# KiCad board test_ledout.kicad_pcb
rev: D
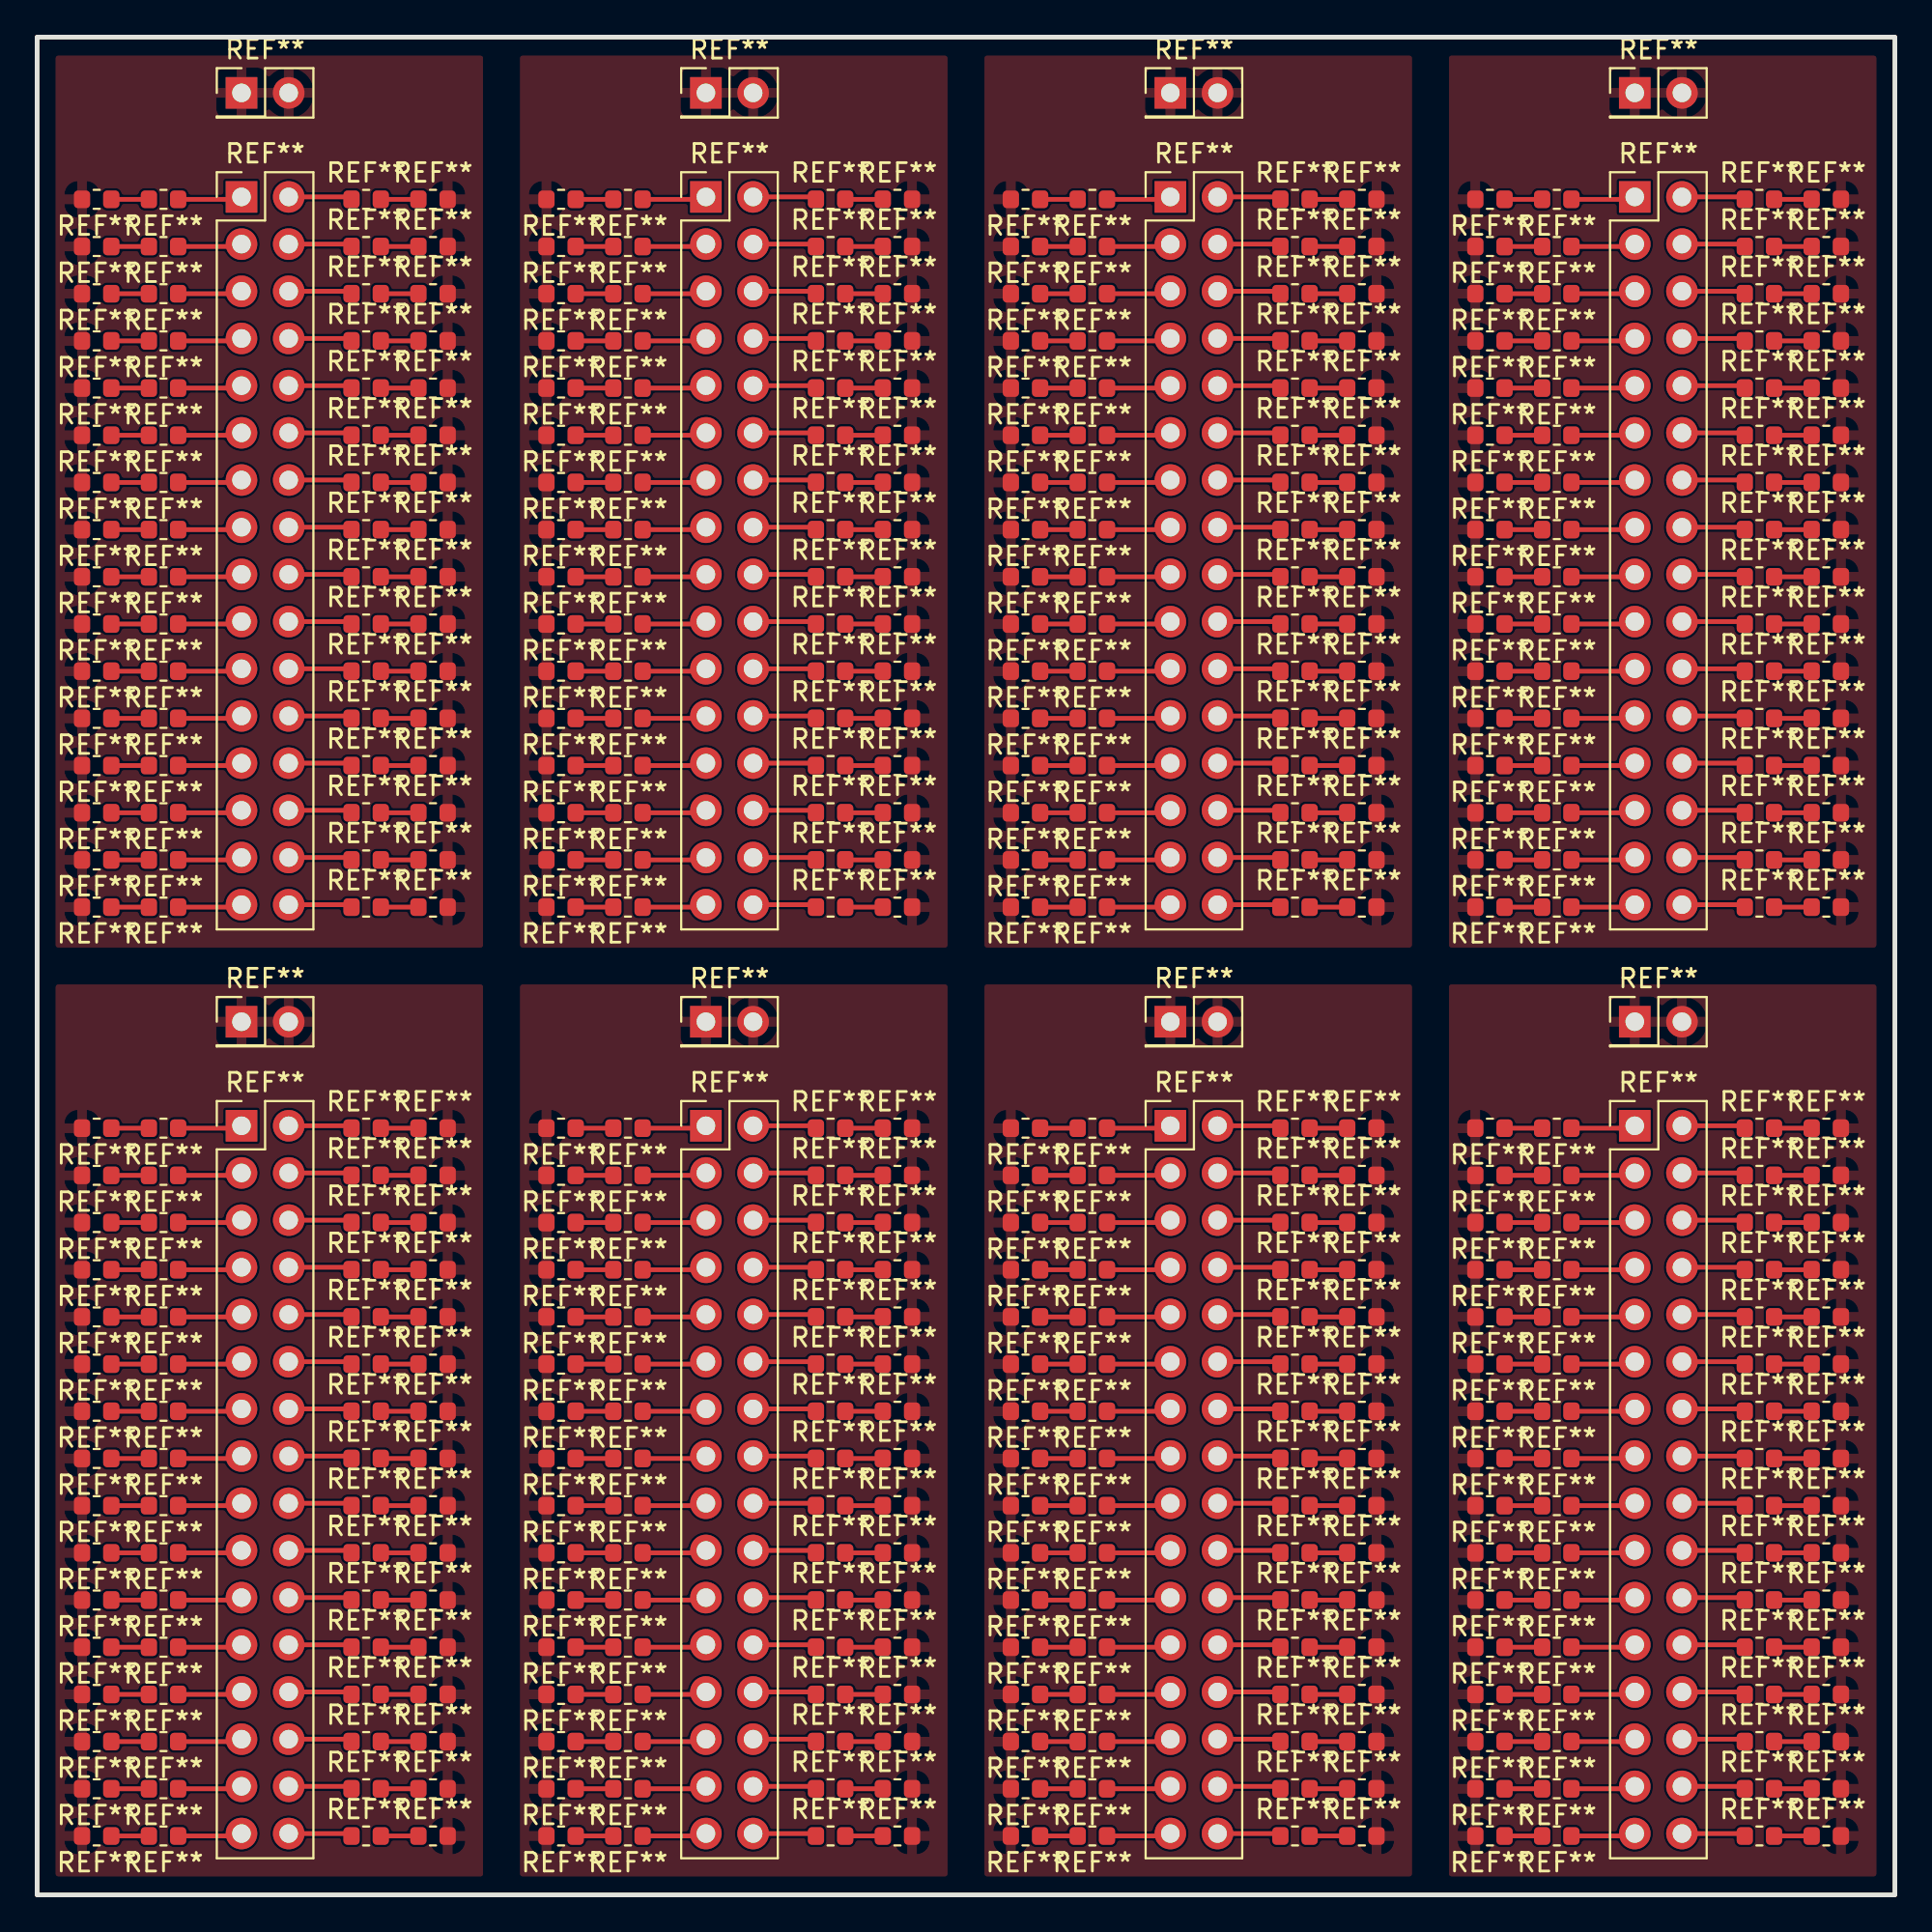
[diagram p0: board, top side]
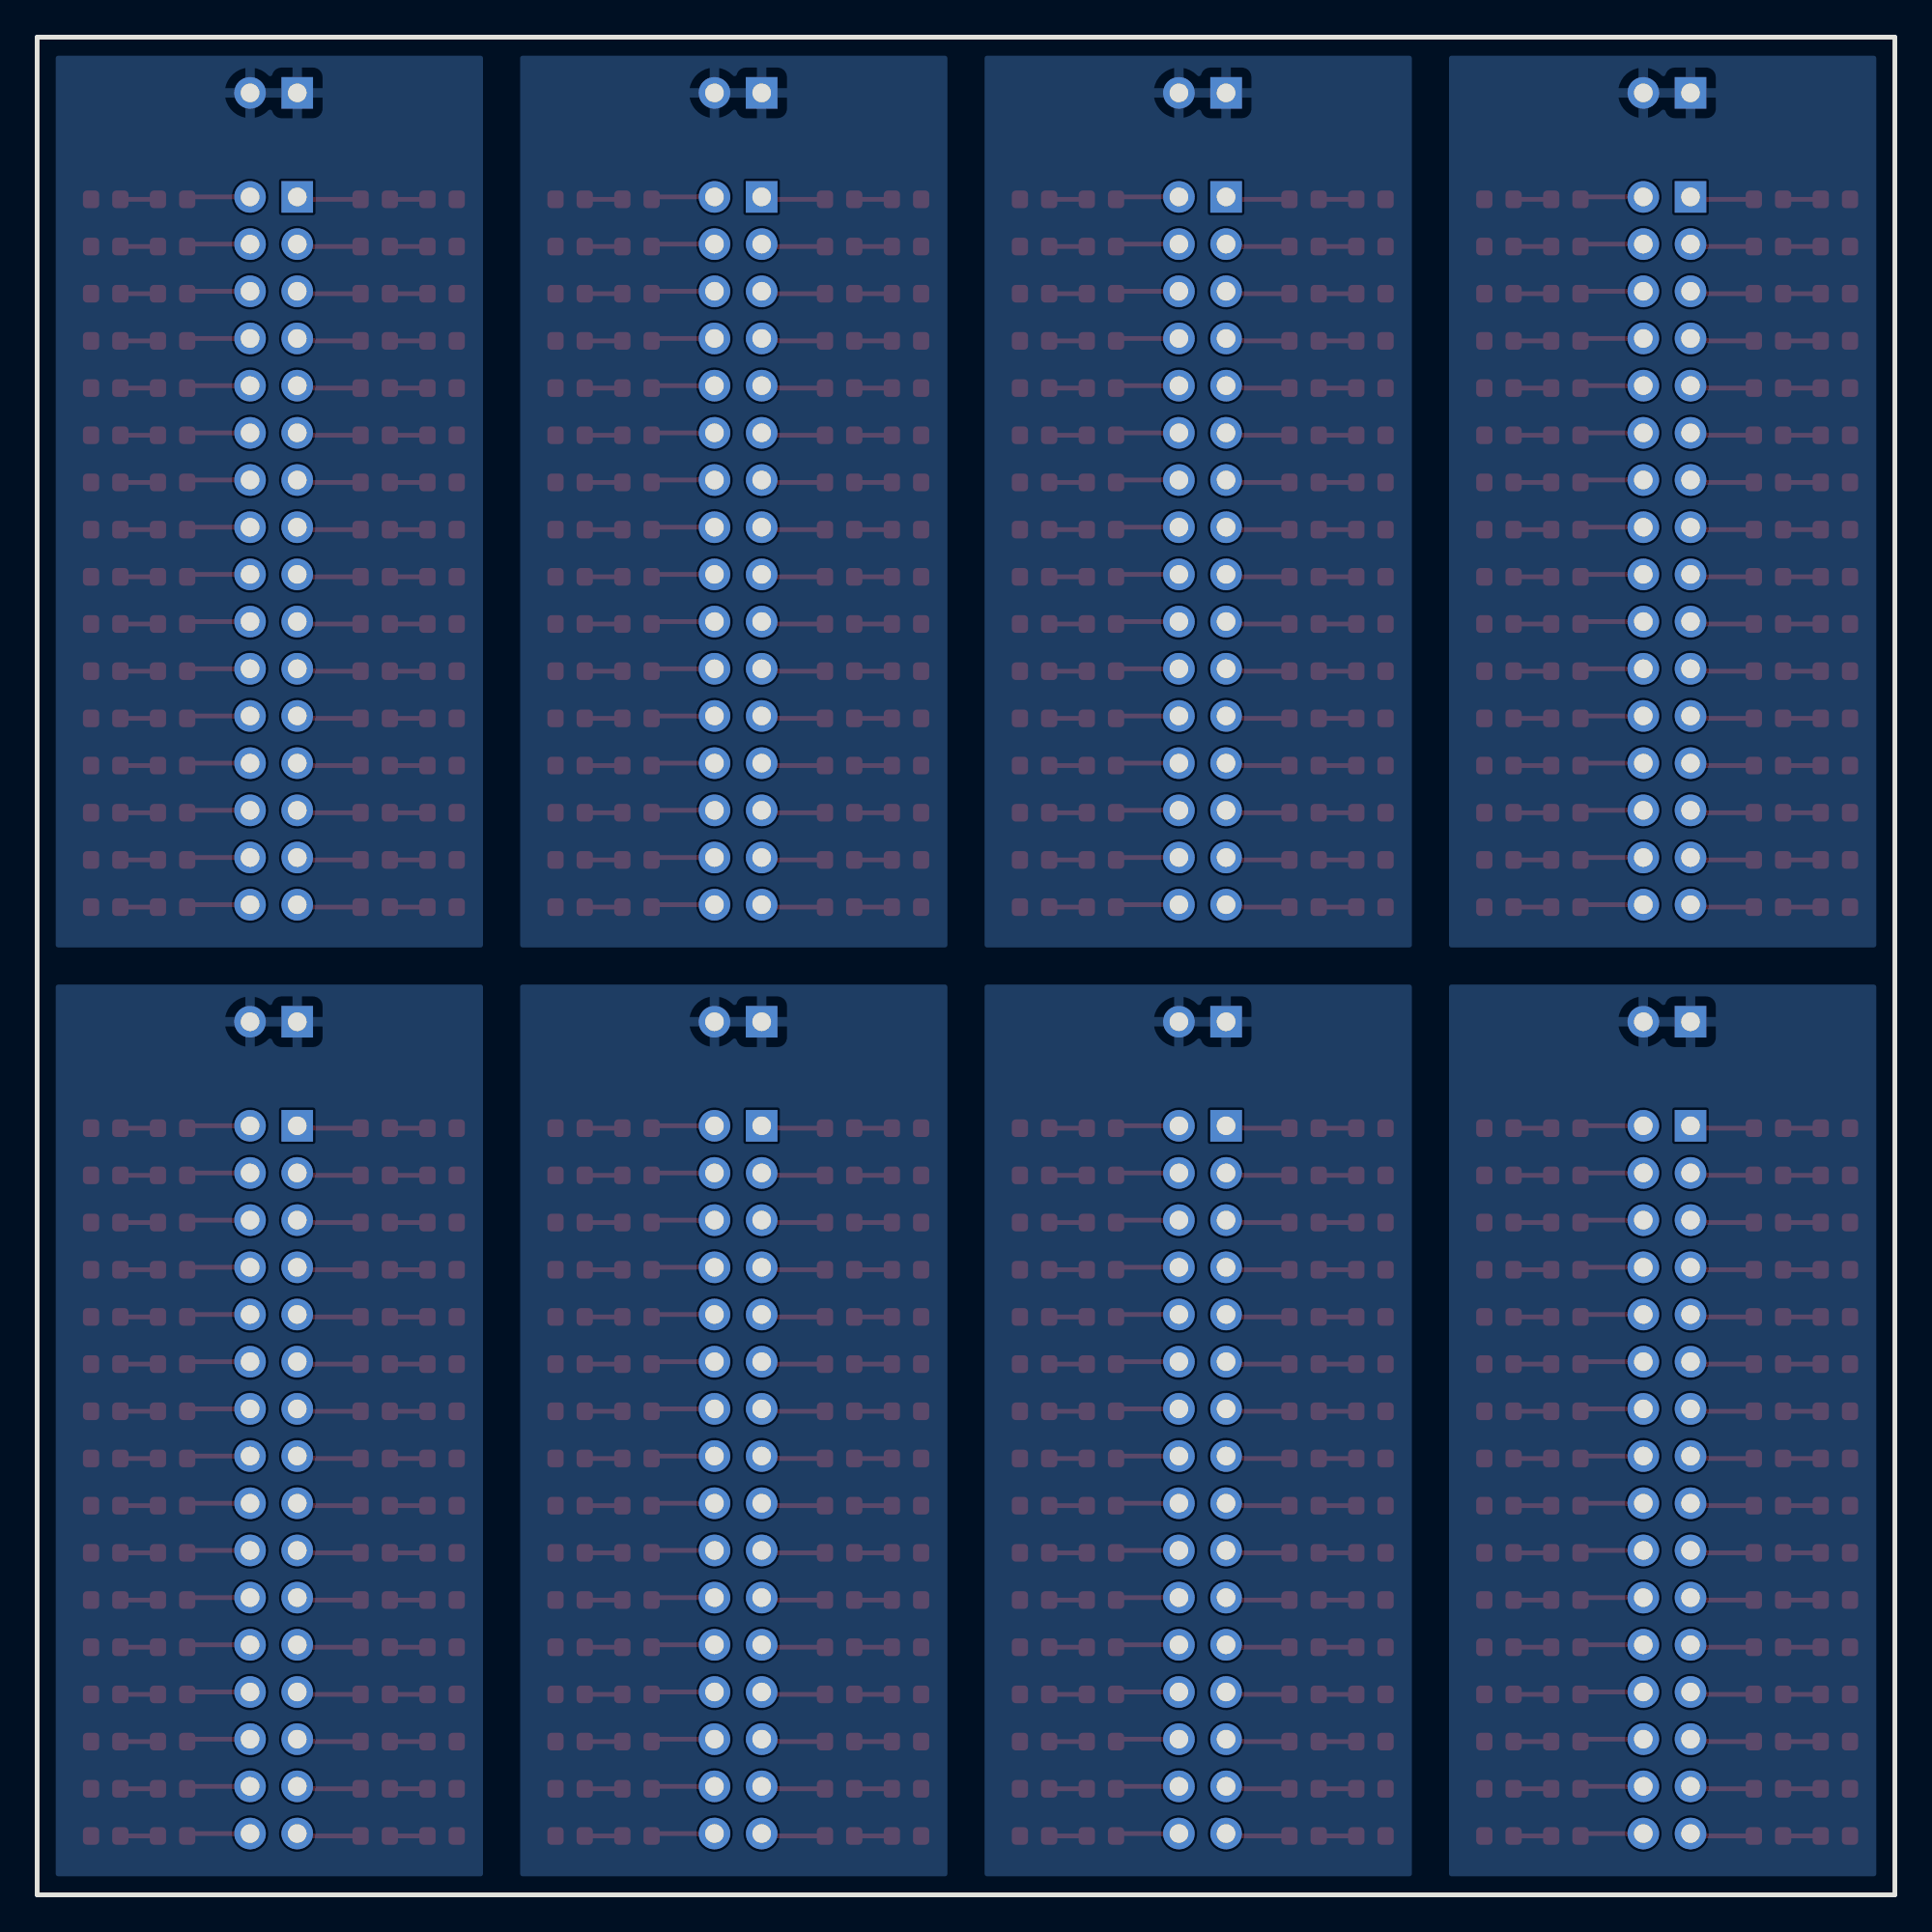
[diagram p1: board, bottom side, seen from below]

Outline 100 x 100 mm; copper layers: Top, In1.Cu (plane), In2.Cu, In3.Cu, In4.Cu (plane), Bottom. Coordinates in mm from the lower left corner of the outline.
Outline path: 0,100 0,0 100,0 100,100 0,100
Stack: Top 0.035mm / dielectric 1.37mm FR4 er 4.5 / In1.Cu 0.035mm / dielectric 1.37mm FR4 er 4.5 / In2.Cu 0.035mm / dielectric 1.37mm FR4 er 4.5 / In3.Cu 0.035mm / dielectric 1.37mm FR4 er 4.5 / In4.Cu 0.035mm / dielectric 1.37mm FR4 er 4.5 / Bottom 0.035mm

## Placement (name value [footprint] x y rotation side)
REF**  -  [R_0603_1608Metric]  67.71 58.25 0 top
REF**#2  -  [R_0603_1608Metric]  81.8 68.41 180 top
REF**#3  -  [R_0603_1608Metric]  67.71 68.41 0 top
REF**#4  -  [R_0603_1608Metric]  3.2 73.49 180 top
REF**#5  -  [R_0603_1608Metric]  21.31 33.65 0 top
REF**#6  -  [R_0603_1608Metric]  17.71 41.27 0 top
REF**#7  -  [R_0603_1608Metric]  81.8 8.25 180 top
REF**#8  -  [R_0603_1608Metric]  71.31 20.95 0 top
REF**#9  -  [R_0603_1608Metric]  67.71 5.71 0 top
REF**#10  -  [R_0603_1608Metric]  46.31 65.87 0 top
REF**#11  -  [PinHeader_2x16_P2.54mm_Vertical]  11 41.4 0 top
REF**#12  -  [R_0603_1608Metric]  6.8 15.87 180 top
REF**#13  -  [R_0603_1608Metric]  53.2 60.79 180 top
REF**#14  -  [R_0603_1608Metric]  56.8 26.03 180 top
REF**#15  -  [R_0603_1608Metric]  53.2 86.19 180 top
REF**#16  -  [R_0603_1608Metric]  71.31 13.33 0 top
REF**#17  -  [R_0603_1608Metric]  78.2 81.11 180 top
REF**#18  -  [R_0603_1608Metric]  42.71 38.73 0 top
REF**#19  -  [R_0603_1608Metric]  31.8 65.87 180 top
REF**#20  -  [R_0603_1608Metric]  78.2 18.41 180 top
REF**#21  -  [R_0603_1608Metric]  96.31 26.03 0 top
REF**#22  -  [R_0603_1608Metric]  71.31 68.41 0 top
REF**#23  -  [R_0603_1608Metric]  56.8 70.95 180 top
REF**#24  -  [R_0603_1608Metric]  42.71 70.95 0 top
REF**#25  -  [R_0603_1608Metric]  21.31 5.71 0 top
REF**#26  -  [R_0603_1608Metric]  56.8 60.79 180 top
REF**#27  -  [R_0603_1608Metric]  53.2 15.87 180 top
REF**#28  -  [R_0603_1608Metric]  17.71 36.19 0 top
REF**#29  -  [R_0603_1608Metric]  96.31 8.25 0 top
REF**#30  -  [R_0603_1608Metric]  53.2 65.87 180 top
REF**#31  -  [R_0603_1608Metric]  28.2 15.87 180 top
REF**#32  -  [R_0603_1608Metric]  42.71 36.19 0 top
REF**#33  -  [R_0603_1608Metric]  28.2 18.41 180 top
REF**#34  -  [R_0603_1608Metric]  67.71 65.87 0 top
REF**#35  -  [R_0603_1608Metric]  21.31 23.49 0 top
REF**#36  -  [R_0603_1608Metric]  28.2 58.25 180 top
REF**#37  -  [R_0603_1608Metric]  56.8 15.87 180 top
REF**#38  -  [R_0603_1608Metric]  21.31 70.95 0 top
REF**#39  -  [R_0603_1608Metric]  28.2 23.49 180 top
REF**#40  -  [R_0603_1608Metric]  96.31 5.71 0 top
REF**#41  -  [R_0603_1608Metric]  92.71 76.03 0 top
REF**#42  -  [R_0603_1608Metric]  67.71 76.03 0 top
REF**#43  -  [R_0603_1608Metric]  31.8 60.79 180 top
REF**#44  -  [R_0603_1608Metric]  71.31 26.03 0 top
REF**#45  -  [R_0603_1608Metric]  31.8 23.49 180 top
REF**#46  -  [R_0603_1608Metric]  96.31 58.25 0 top
REF**#47  -  [R_0603_1608Metric]  56.8 73.49 180 top
REF**#48  -  [R_0603_1608Metric]  28.2 38.73 180 top
REF**#49  -  [R_0603_1608Metric]  28.2 36.19 180 top
REF**#50  -  [R_0603_1608Metric]  92.71 20.95 0 top
REF**#51  -  [R_0603_1608Metric]  28.2 63.33 180 top
REF**#52  -  [R_0603_1608Metric]  46.31 81.11 0 top
REF**#53  -  [R_0603_1608Metric]  46.31 33.65 0 top
REF**#54  -  [R_0603_1608Metric]  42.71 88.73 0 top
REF**#55  -  [R_0603_1608Metric]  3.2 13.33 180 top
REF**#56  -  [R_0603_1608Metric]  71.31 38.73 0 top
REF**#57  -  [R_0603_1608Metric]  28.2 55.71 180 top
REF**#58  -  [R_0603_1608Metric]  46.31 3.17 0 top
REF**#59  -  [R_0603_1608Metric]  17.71 65.87 0 top
REF**#60  -  [R_0603_1608Metric]  78.2 65.87 180 top
REF**#61  -  [R_0603_1608Metric]  31.8 86.19 180 top
REF**#62  -  [R_0603_1608Metric]  6.8 20.95 180 top
REF**#63  -  [R_0603_1608Metric]  28.2 28.57 180 top
REF**#64  -  [R_0603_1608Metric]  56.8 58.25 180 top
REF**#65  -  [R_0603_1608Metric]  21.31 68.41 0 top
REF**#66  -  [R_0603_1608Metric]  92.71 70.95 0 top
REF**#67  -  [R_0603_1608Metric]  21.31 36.19 0 top
REF**#68  -  [R_0603_1608Metric]  6.8 38.73 180 top
REF**#69  -  [R_0603_1608Metric]  6.8 18.41 180 top
REF**#70  -  [R_0603_1608Metric]  53.2 8.25 180 top
REF**#71  -  [R_0603_1608Metric]  31.8 8.25 180 top
REF**#72  -  [R_0603_1608Metric]  92.71 68.41 0 top
REF**#73  -  [R_0603_1608Metric]  56.8 33.65 180 top
REF**#74  -  [R_0603_1608Metric]  53.2 33.65 180 top
REF**#75  -  [R_0603_1608Metric]  56.8 91.27 180 top
REF**#76  -  [R_0603_1608Metric]  46.31 68.41 0 top
REF**#77  -  [PinHeader_2x01_P2.54mm_Vertical]  86 47 0 top
REF**#78  -  [R_0603_1608Metric]  56.8 53.17 180 top
REF**#79  -  [R_0603_1608Metric]  96.31 63.33 0 top
REF**#80  -  [R_0603_1608Metric]  28.2 10.79 180 top
REF**#81  -  [R_0603_1608Metric]  56.8 68.41 180 top
REF**#82  -  [R_0603_1608Metric]  67.71 83.65 0 top
REF**#83  -  [R_0603_1608Metric]  67.71 20.95 0 top
REF**#84  -  [R_0603_1608Metric]  96.31 70.95 0 top
REF**#85  -  [R_0603_1608Metric]  53.2 83.65 180 top
REF**#86  -  [R_0603_1608Metric]  42.71 65.87 0 top
REF**#87  -  [R_0603_1608Metric]  56.8 65.87 180 top
REF**#88  -  [R_0603_1608Metric]  3.2 8.25 180 top
REF**#89  -  [R_0603_1608Metric]  21.31 8.25 0 top
REF**#90  -  [R_0603_1608Metric]  56.8 63.33 180 top
REF**#91  -  [R_0603_1608Metric]  71.31 53.17 0 top
REF**#92  -  [PinHeader_2x16_P2.54mm_Vertical]  61 41.4 0 top
REF**#93  -  [R_0603_1608Metric]  78.2 36.19 180 top
REF**#94  -  [R_0603_1608Metric]  96.31 41.27 0 top
REF**#95  -  [R_0603_1608Metric]  71.31 65.87 0 top
REF**#96  -  [R_0603_1608Metric]  31.8 20.95 180 top
REF**#97  -  [R_0603_1608Metric]  31.8 31.11 180 top
REF**#98  -  [R_0603_1608Metric]  31.8 58.25 180 top
REF**#99  -  [R_0603_1608Metric]  42.71 63.33 0 top
REF**#100  -  [R_0603_1608Metric]  6.8 55.71 180 top
REF**#101  -  [R_0603_1608Metric]  21.31 28.57 0 top
REF**#102  -  [R_0603_1608Metric]  78.2 58.25 180 top
REF**#103  -  [R_0603_1608Metric]  78.2 33.65 180 top
REF**#104  -  [R_0603_1608Metric]  81.8 58.25 180 top
REF**#105  -  [R_0603_1608Metric]  71.31 23.49 0 top
REF**#106  -  [R_0603_1608Metric]  3.2 18.41 180 top
REF**#107  -  [R_0603_1608Metric]  17.71 86.19 0 top
REF**#108  -  [R_0603_1608Metric]  56.8 10.79 180 top
REF**#109  -  [R_0603_1608Metric]  96.31 20.95 0 top
REF**#110  -  [R_0603_1608Metric]  67.71 36.19 0 top
REF**#111  -  [PinHeader_2x16_P2.54mm_Vertical]  61 91.4 0 top
REF**#112  -  [R_0603_1608Metric]  6.8 28.57 180 top
REF**#113  -  [R_0603_1608Metric]  71.31 3.17 0 top
REF**#114  -  [R_0603_1608Metric]  17.71 55.71 0 top
REF**#115  -  [R_0603_1608Metric]  46.31 70.95 0 top
REF**#116  -  [R_0603_1608Metric]  6.8 70.95 180 top
REF**#117  -  [R_0603_1608Metric]  17.71 70.95 0 top
REF**#118  -  [R_0603_1608Metric]  31.8 76.03 180 top
REF**#119  -  [R_0603_1608Metric]  78.2 88.73 180 top
REF**#120  -  [R_0603_1608Metric]  53.2 5.71 180 top
REF**#121  -  [R_0603_1608Metric]  92.71 81.11 0 top
REF**#122  -  [R_0603_1608Metric]  78.2 53.17 180 top
REF**#123  -  [R_0603_1608Metric]  81.8 63.33 180 top
REF**#124  -  [R_0603_1608Metric]  71.31 58.25 0 top
REF**#125  -  [R_0603_1608Metric]  42.71 28.57 0 top
REF**#126  -  [R_0603_1608Metric]  53.2 53.17 180 top
REF**#127  -  [R_0603_1608Metric]  67.71 78.57 0 top
REF**#128  -  [R_0603_1608Metric]  46.31 15.87 0 top
REF**#129  -  [R_0603_1608Metric]  21.31 13.33 0 top
REF**#130  -  [R_0603_1608Metric]  17.71 76.03 0 top
REF**#131  -  [R_0603_1608Metric]  81.8 31.11 180 top
REF**#132  -  [R_0603_1608Metric]  46.31 23.49 0 top
REF**#133  -  [R_0603_1608Metric]  92.71 31.11 0 top
REF**#134  -  [R_0603_1608Metric]  42.71 68.41 0 top
REF**#135  -  [R_0603_1608Metric]  67.71 53.17 0 top
REF**#136  -  [R_0603_1608Metric]  6.8 36.19 180 top
REF**#137  -  [R_0603_1608Metric]  28.2 26.03 180 top
REF**#138  -  [R_0603_1608Metric]  78.2 68.41 180 top
REF**#139  -  [R_0603_1608Metric]  28.2 73.49 180 top
REF**#140  -  [R_0603_1608Metric]  81.8 13.33 180 top
REF**#141  -  [R_0603_1608Metric]  71.31 33.65 0 top
REF**#142  -  [R_0603_1608Metric]  6.8 68.41 180 top
REF**#143  -  [R_0603_1608Metric]  78.2 86.19 180 top
REF**#144  -  [R_0603_1608Metric]  53.2 31.11 180 top
REF**#145  -  [R_0603_1608Metric]  46.31 60.79 0 top
REF**#146  -  [R_0603_1608Metric]  56.8 8.25 180 top
REF**#147  -  [R_0603_1608Metric]  28.2 78.57 180 top
REF**#148  -  [R_0603_1608Metric]  92.71 83.65 0 top
REF**#149  -  [R_0603_1608Metric]  3.2 70.95 180 top
REF**#150  -  [R_0603_1608Metric]  28.2 33.65 180 top
REF**#151  -  [R_0603_1608Metric]  28.2 70.95 180 top
REF**#152  -  [R_0603_1608Metric]  78.2 83.65 180 top
REF**#153  -  [R_0603_1608Metric]  81.8 38.73 180 top
REF**#154  -  [R_0603_1608Metric]  42.71 41.27 0 top
REF**#155  -  [R_0603_1608Metric]  31.8 3.17 180 top
REF**#156  -  [R_0603_1608Metric]  21.31 10.79 0 top
REF**#157  -  [R_0603_1608Metric]  17.71 68.41 0 top
REF**#158  -  [R_0603_1608Metric]  3.2 20.95 180 top
REF**#159  -  [R_0603_1608Metric]  17.71 60.79 0 top
REF**#160  -  [R_0603_1608Metric]  78.2 55.71 180 top
REF**#161  -  [R_0603_1608Metric]  92.71 23.49 0 top
REF**#162  -  [R_0603_1608Metric]  53.2 20.95 180 top
REF**#163  -  [R_0603_1608Metric]  6.8 33.65 180 top
REF**#164  -  [R_0603_1608Metric]  46.31 38.73 0 top
REF**#165  -  [R_0603_1608Metric]  96.31 55.71 0 top
REF**#166  -  [PinHeader_2x16_P2.54mm_Vertical]  36 91.4 0 top
REF**#167  -  [R_0603_1608Metric]  6.8 88.73 180 top
REF**#168  -  [R_0603_1608Metric]  21.31 58.25 0 top
REF**#169  -  [R_0603_1608Metric]  56.8 18.41 180 top
REF**#170  -  [PinHeader_2x16_P2.54mm_Vertical]  86 91.4 0 top
REF**#171  -  [R_0603_1608Metric]  17.71 83.65 0 top
REF**#172  -  [R_0603_1608Metric]  42.71 53.17 0 top
REF**#173  -  [R_0603_1608Metric]  67.71 13.33 0 top
REF**#174  -  [R_0603_1608Metric]  3.2 38.73 180 top
REF**#175  -  [R_0603_1608Metric]  53.2 26.03 180 top
REF**#176  -  [R_0603_1608Metric]  96.31 86.19 0 top
REF**#177  -  [R_0603_1608Metric]  17.71 88.73 0 top
REF**#178  -  [R_0603_1608Metric]  21.31 81.11 0 top
REF**#179  -  [R_0603_1608Metric]  67.71 55.71 0 top
REF**#180  -  [R_0603_1608Metric]  3.2 65.87 180 top
REF**#181  -  [R_0603_1608Metric]  17.71 53.17 0 top
REF**#182  -  [R_0603_1608Metric]  21.31 15.87 0 top
REF**#183  -  [R_0603_1608Metric]  67.71 23.49 0 top
REF**#184  -  [R_0603_1608Metric]  31.8 28.57 180 top
REF**#185  -  [R_0603_1608Metric]  92.71 91.27 0 top
REF**#186  -  [R_0603_1608Metric]  6.8 76.03 180 top
REF**#187  -  [R_0603_1608Metric]  53.2 73.49 180 top
REF**#188  -  [R_0603_1608Metric]  71.31 18.41 0 top
REF**#189  -  [R_0603_1608Metric]  31.8 18.41 180 top
REF**#190  -  [R_0603_1608Metric]  17.71 81.11 0 top
REF**#191  -  [R_0603_1608Metric]  31.8 70.95 180 top
REF**#192  -  [R_0603_1608Metric]  53.2 58.25 180 top
REF**#193  -  [R_0603_1608Metric]  42.71 18.41 0 top
REF**#194  -  [PinHeader_2x01_P2.54mm_Vertical]  36 97 0 top
REF**#195  -  [R_0603_1608Metric]  71.31 31.11 0 top
REF**#196  -  [R_0603_1608Metric]  96.31 91.27 0 top
REF**#197  -  [R_0603_1608Metric]  78.2 20.95 180 top
REF**#198  -  [R_0603_1608Metric]  17.71 91.27 0 top
REF**#199  -  [R_0603_1608Metric]  28.2 13.33 180 top
REF**#200  -  [R_0603_1608Metric]  67.71 10.79 0 top
REF**#201  -  [R_0603_1608Metric]  31.8 13.33 180 top
REF**#202  -  [R_0603_1608Metric]  42.71 73.49 0 top
REF**#203  -  [R_0603_1608Metric]  96.31 18.41 0 top
REF**#204  -  [R_0603_1608Metric]  42.71 10.79 0 top
REF**#205  -  [R_0603_1608Metric]  21.31 20.95 0 top
REF**#206  -  [R_0603_1608Metric]  17.71 3.17 0 top
REF**#207  -  [R_0603_1608Metric]  67.71 60.79 0 top
REF**#208  -  [R_0603_1608Metric]  81.8 5.71 180 top
REF**#209  -  [R_0603_1608Metric]  46.31 78.57 0 top
REF**#210  -  [R_0603_1608Metric]  81.8 83.65 180 top
REF**#211  -  [R_0603_1608Metric]  96.31 68.41 0 top
REF**#212  -  [R_0603_1608Metric]  46.31 91.27 0 top
REF**#213  -  [R_0603_1608Metric]  6.8 13.33 180 top
REF**#214  -  [R_0603_1608Metric]  81.8 70.95 180 top
REF**#215  -  [R_0603_1608Metric]  92.71 8.25 0 top
REF**#216  -  [R_0603_1608Metric]  56.8 3.17 180 top
REF**#217  -  [R_0603_1608Metric]  42.71 60.79 0 top
REF**#218  -  [R_0603_1608Metric]  31.8 88.73 180 top
REF**#219  -  [R_0603_1608Metric]  3.2 86.19 180 top
REF**#220  -  [R_0603_1608Metric]  6.8 81.11 180 top
REF**#221  -  [R_0603_1608Metric]  92.71 18.41 0 top
REF**#222  -  [R_0603_1608Metric]  31.8 91.27 180 top
REF**#223  -  [R_0603_1608Metric]  71.31 41.27 0 top
REF**#224  -  [R_0603_1608Metric]  42.71 78.57 0 top
REF**#225  -  [R_0603_1608Metric]  21.31 55.71 0 top
REF**#226  -  [R_0603_1608Metric]  53.2 28.57 180 top
REF**#227  -  [R_0603_1608Metric]  28.2 91.27 180 top
REF**#228  -  [R_0603_1608Metric]  17.71 38.73 0 top
REF**#229  -  [R_0603_1608Metric]  42.71 20.95 0 top
REF**#230  -  [R_0603_1608Metric]  92.71 33.65 0 top
REF**#231  -  [R_0603_1608Metric]  92.71 41.27 0 top
REF**#232  -  [R_0603_1608Metric]  21.31 78.57 0 top
REF**#233  -  [R_0603_1608Metric]  56.8 55.71 180 top
REF**#234  -  [R_0603_1608Metric]  78.2 31.11 180 top
REF**#235  -  [R_0603_1608Metric]  53.2 88.73 180 top
REF**#236  -  [R_0603_1608Metric]  17.71 26.03 0 top
REF**#237  -  [R_0603_1608Metric]  17.71 33.65 0 top
REF**#238  -  [R_0603_1608Metric]  31.8 10.79 180 top
REF**#239  -  [R_0603_1608Metric]  46.31 28.57 0 top
REF**#240  -  [R_0603_1608Metric]  67.71 41.27 0 top
REF**#241  -  [R_0603_1608Metric]  17.71 20.95 0 top
REF**#242  -  [R_0603_1608Metric]  28.2 8.25 180 top
REF**#243  -  [R_0603_1608Metric]  6.8 65.87 180 top
REF**#244  -  [R_0603_1608Metric]  81.8 65.87 180 top
REF**#245  -  [R_0603_1608Metric]  3.2 60.79 180 top
REF**#246  -  [R_0603_1608Metric]  81.8 41.27 180 top
REF**#247  -  [R_0603_1608Metric]  17.71 31.11 0 top
REF**#248  -  [R_0603_1608Metric]  67.71 38.73 0 top
REF**#249  -  [R_0603_1608Metric]  71.31 91.27 0 top
REF**#250  -  [R_0603_1608Metric]  21.31 63.33 0 top
REF**#251  -  [R_0603_1608Metric]  21.31 73.49 0 top
REF**#252  -  [R_0603_1608Metric]  78.2 38.73 180 top
REF**#253  -  [R_0603_1608Metric]  42.71 13.33 0 top
REF**#254  -  [R_0603_1608Metric]  42.71 5.71 0 top
REF**#255  -  [R_0603_1608Metric]  92.71 86.19 0 top
REF**#256  -  [R_0603_1608Metric]  3.2 26.03 180 top
REF**#257  -  [R_0603_1608Metric]  31.8 83.65 180 top
REF**#258  -  [R_0603_1608Metric]  17.71 63.33 0 top
REF**#259  -  [R_0603_1608Metric]  56.8 36.19 180 top
REF**#260  -  [R_0603_1608Metric]  46.31 13.33 0 top
REF**#261  -  [R_0603_1608Metric]  53.2 38.73 180 top
REF**#262  -  [R_0603_1608Metric]  3.2 53.17 180 top
REF**#263  -  [R_0603_1608Metric]  71.31 81.11 0 top
REF**#264  -  [R_0603_1608Metric]  71.31 86.19 0 top
REF**#265  -  [R_0603_1608Metric]  96.31 23.49 0 top
REF**#266  -  [R_0603_1608Metric]  71.31 78.57 0 top
REF**#267  -  [R_0603_1608Metric]  6.8 3.17 180 top
REF**#268  -  [R_0603_1608Metric]  71.31 88.73 0 top
REF**#269  -  [R_0603_1608Metric]  21.31 18.41 0 top
REF**#270  -  [R_0603_1608Metric]  3.2 88.73 180 top
REF**#271  -  [R_0603_1608Metric]  31.8 81.11 180 top
REF**#272  -  [R_0603_1608Metric]  28.2 88.73 180 top
REF**#273  -  [R_0603_1608Metric]  46.31 83.65 0 top
REF**#274  -  [R_0603_1608Metric]  46.31 36.19 0 top
REF**#275  -  [PinHeader_2x01_P2.54mm_Vertical]  11 47 0 top
REF**#276  -  [R_0603_1608Metric]  78.2 76.03 180 top
REF**#277  -  [R_0603_1608Metric]  31.8 38.73 180 top
REF**#278  -  [R_0603_1608Metric]  67.71 15.87 0 top
REF**#279  -  [R_0603_1608Metric]  67.71 18.41 0 top
REF**#280  -  [R_0603_1608Metric]  96.31 81.11 0 top
REF**#281  -  [R_0603_1608Metric]  96.31 3.17 0 top
REF**#282  -  [R_0603_1608Metric]  53.2 18.41 180 top
REF**#283  -  [R_0603_1608Metric]  21.31 3.17 0 top
REF**#284  -  [R_0603_1608Metric]  96.31 88.73 0 top
REF**#285  -  [R_0603_1608Metric]  6.8 91.27 180 top
REF**#286  -  [R_0603_1608Metric]  92.71 73.49 0 top
REF**#287  -  [R_0603_1608Metric]  53.2 36.19 180 top
REF**#288  -  [R_0603_1608Metric]  3.2 31.11 180 top
REF**#289  -  [R_0603_1608Metric]  67.71 26.03 0 top
REF**#290  -  [R_0603_1608Metric]  92.71 53.17 0 top
REF**#291  -  [R_0603_1608Metric]  92.71 36.19 0 top
REF**#292  -  [R_0603_1608Metric]  46.31 8.25 0 top
REF**#293  -  [R_0603_1608Metric]  42.71 55.71 0 top
REF**#294  -  [R_0603_1608Metric]  53.2 41.27 180 top
REF**#295  -  [R_0603_1608Metric]  28.2 76.03 180 top
REF**#296  -  [R_0603_1608Metric]  96.31 15.87 0 top
REF**#297  -  [R_0603_1608Metric]  96.31 33.65 0 top
REF**#298  -  [R_0603_1608Metric]  71.31 73.49 0 top
REF**#299  -  [R_0603_1608Metric]  42.71 3.17 0 top
REF**#300  -  [R_0603_1608Metric]  3.2 68.41 180 top
REF**#301  -  [R_0603_1608Metric]  17.71 23.49 0 top
REF**#302  -  [R_0603_1608Metric]  81.8 15.87 180 top
REF**#303  -  [R_0603_1608Metric]  92.71 5.71 0 top
REF**#304  -  [R_0603_1608Metric]  81.8 3.17 180 top
REF**#305  -  [R_0603_1608Metric]  28.2 53.17 180 top
REF**#306  -  [R_0603_1608Metric]  17.71 28.57 0 top
REF**#307  -  [R_0603_1608Metric]  56.8 5.71 180 top
REF**#308  -  [R_0603_1608Metric]  46.31 53.17 0 top
REF**#309  -  [R_0603_1608Metric]  78.2 13.33 180 top
REF**#310  -  [PinHeader_2x16_P2.54mm_Vertical]  11 91.4 0 top
REF**#311  -  [R_0603_1608Metric]  56.8 38.73 180 top
REF**#312  -  [R_0603_1608Metric]  71.31 63.33 0 top
REF**#313  -  [R_0603_1608Metric]  3.2 10.79 180 top
REF**#314  -  [R_0603_1608Metric]  31.8 15.87 180 top
REF**#315  -  [R_0603_1608Metric]  3.2 36.19 180 top
REF**#316  -  [R_0603_1608Metric]  46.31 55.71 0 top
REF**#317  -  [R_0603_1608Metric]  3.2 15.87 180 top
REF**#318  -  [R_0603_1608Metric]  56.8 88.73 180 top
REF**#319  -  [R_0603_1608Metric]  67.71 88.73 0 top
REF**#320  -  [R_0603_1608Metric]  92.71 60.79 0 top
REF**#321  -  [R_0603_1608Metric]  56.8 20.95 180 top
REF**#322  -  [R_0603_1608Metric]  28.2 83.65 180 top
REF**#323  -  [R_0603_1608Metric]  92.71 88.73 0 top
REF**#324  -  [R_0603_1608Metric]  31.8 63.33 180 top
REF**#325  -  [R_0603_1608Metric]  96.31 38.73 0 top
REF**#326  -  [R_0603_1608Metric]  42.71 15.87 0 top
REF**#327  -  [R_0603_1608Metric]  17.71 13.33 0 top
REF**#328  -  [R_0603_1608Metric]  92.71 65.87 0 top
REF**#329  -  [R_0603_1608Metric]  46.31 18.41 0 top
REF**#330  -  [R_0603_1608Metric]  53.2 63.33 180 top
REF**#331  -  [R_0603_1608Metric]  31.8 33.65 180 top
REF**#332  -  [R_0603_1608Metric]  96.31 76.03 0 top
REF**#333  -  [R_0603_1608Metric]  81.8 73.49 180 top
REF**#334  -  [PinHeader_2x16_P2.54mm_Vertical]  86 41.4 0 top
REF**#335  -  [R_0603_1608Metric]  21.31 41.27 0 top
REF**#336  -  [R_0603_1608Metric]  46.31 20.95 0 top
REF**#337  -  [R_0603_1608Metric]  81.8 88.73 180 top
REF**#338  -  [R_0603_1608Metric]  3.2 23.49 180 top
REF**#339  -  [R_0603_1608Metric]  6.8 8.25 180 top
REF**#340  -  [R_0603_1608Metric]  53.2 76.03 180 top
REF**#341  -  [R_0603_1608Metric]  6.8 41.27 180 top
REF**#342  -  [R_0603_1608Metric]  21.31 86.19 0 top
REF**#343  -  [R_0603_1608Metric]  6.8 26.03 180 top
REF**#344  -  [R_0603_1608Metric]  78.2 26.03 180 top
REF**#345  -  [R_0603_1608Metric]  56.8 41.27 180 top
REF**#346  -  [R_0603_1608Metric]  53.2 78.57 180 top
REF**#347  -  [R_0603_1608Metric]  53.2 55.71 180 top
REF**#348  -  [R_0603_1608Metric]  53.2 23.49 180 top
REF**#349  -  [R_0603_1608Metric]  31.8 26.03 180 top
REF**#350  -  [R_0603_1608Metric]  6.8 23.49 180 top
REF**#351  -  [R_0603_1608Metric]  42.71 23.49 0 top
REF**#352  -  [R_0603_1608Metric]  46.31 58.25 0 top
REF**#353  -  [R_0603_1608Metric]  78.2 73.49 180 top
REF**#354  -  [R_0603_1608Metric]  67.71 70.95 0 top
REF**#355  -  [R_0603_1608Metric]  46.31 63.33 0 top
REF**#356  -  [R_0603_1608Metric]  6.8 53.17 180 top
REF**#357  -  [R_0603_1608Metric]  56.8 86.19 180 top
REF**#358  -  [R_0603_1608Metric]  78.2 41.27 180 top
REF**#359  -  [R_0603_1608Metric]  46.31 86.19 0 top
REF**#360  -  [R_0603_1608Metric]  42.71 76.03 0 top
REF**#361  -  [R_0603_1608Metric]  92.71 58.25 0 top
REF**#362  -  [R_0603_1608Metric]  53.2 91.27 180 top
REF**#363  -  [R_0603_1608Metric]  3.2 91.27 180 top
REF**#364  -  [R_0603_1608Metric]  28.2 41.27 180 top
REF**#365  -  [R_0603_1608Metric]  96.31 10.79 0 top
REF**#366  -  [R_0603_1608Metric]  42.71 86.19 0 top
REF**#367  -  [R_0603_1608Metric]  78.2 78.57 180 top
REF**#368  -  [R_0603_1608Metric]  3.2 28.57 180 top
REF**#369  -  [R_0603_1608Metric]  81.8 53.17 180 top
REF**#370  -  [R_0603_1608Metric]  71.31 36.19 0 top
REF**#371  -  [R_0603_1608Metric]  17.71 15.87 0 top
REF**#372  -  [R_0603_1608Metric]  78.2 10.79 180 top
REF**#373  -  [R_0603_1608Metric]  21.31 60.79 0 top
REF**#374  -  [R_0603_1608Metric]  46.31 76.03 0 top
REF**#375  -  [R_0603_1608Metric]  28.2 20.95 180 top
REF**#376  -  [R_0603_1608Metric]  21.31 65.87 0 top
REF**#377  -  [R_0603_1608Metric]  6.8 58.25 180 top
REF**#378  -  [R_0603_1608Metric]  96.31 53.17 0 top
REF**#379  -  [R_0603_1608Metric]  28.2 5.71 180 top
REF**#380  -  [R_0603_1608Metric]  96.31 28.57 0 top
REF**#381  -  [R_0603_1608Metric]  81.8 91.27 180 top
REF**#382  -  [R_0603_1608Metric]  81.8 18.41 180 top
REF**#383  -  [R_0603_1608Metric]  53.2 81.11 180 top
REF**#384  -  [R_0603_1608Metric]  3.2 78.57 180 top
REF**#385  -  [R_0603_1608Metric]  78.2 70.95 180 top
REF**#386  -  [R_0603_1608Metric]  17.71 10.79 0 top
REF**#387  -  [R_0603_1608Metric]  42.71 58.25 0 top
REF**#388  -  [R_0603_1608Metric]  6.8 31.11 180 top
REF**#389  -  [R_0603_1608Metric]  53.2 68.41 180 top
REF**#390  -  [R_0603_1608Metric]  42.71 33.65 0 top